# Altium PCB STB_LightBoard.PcbDoc (part 26 of 31)
Units mm, origin at the board's own origin, x right, y up, seen from the top; angles counter-clockwise.
Board outline 348 x 348 mm, 2 copper layers (Top Layer, Bottom Layer), stack 1.672 mm thick; 3807 components, 3391 nets, 11616 pads, 2553 vias.
Unrouted connection lines stored in the file: 68.
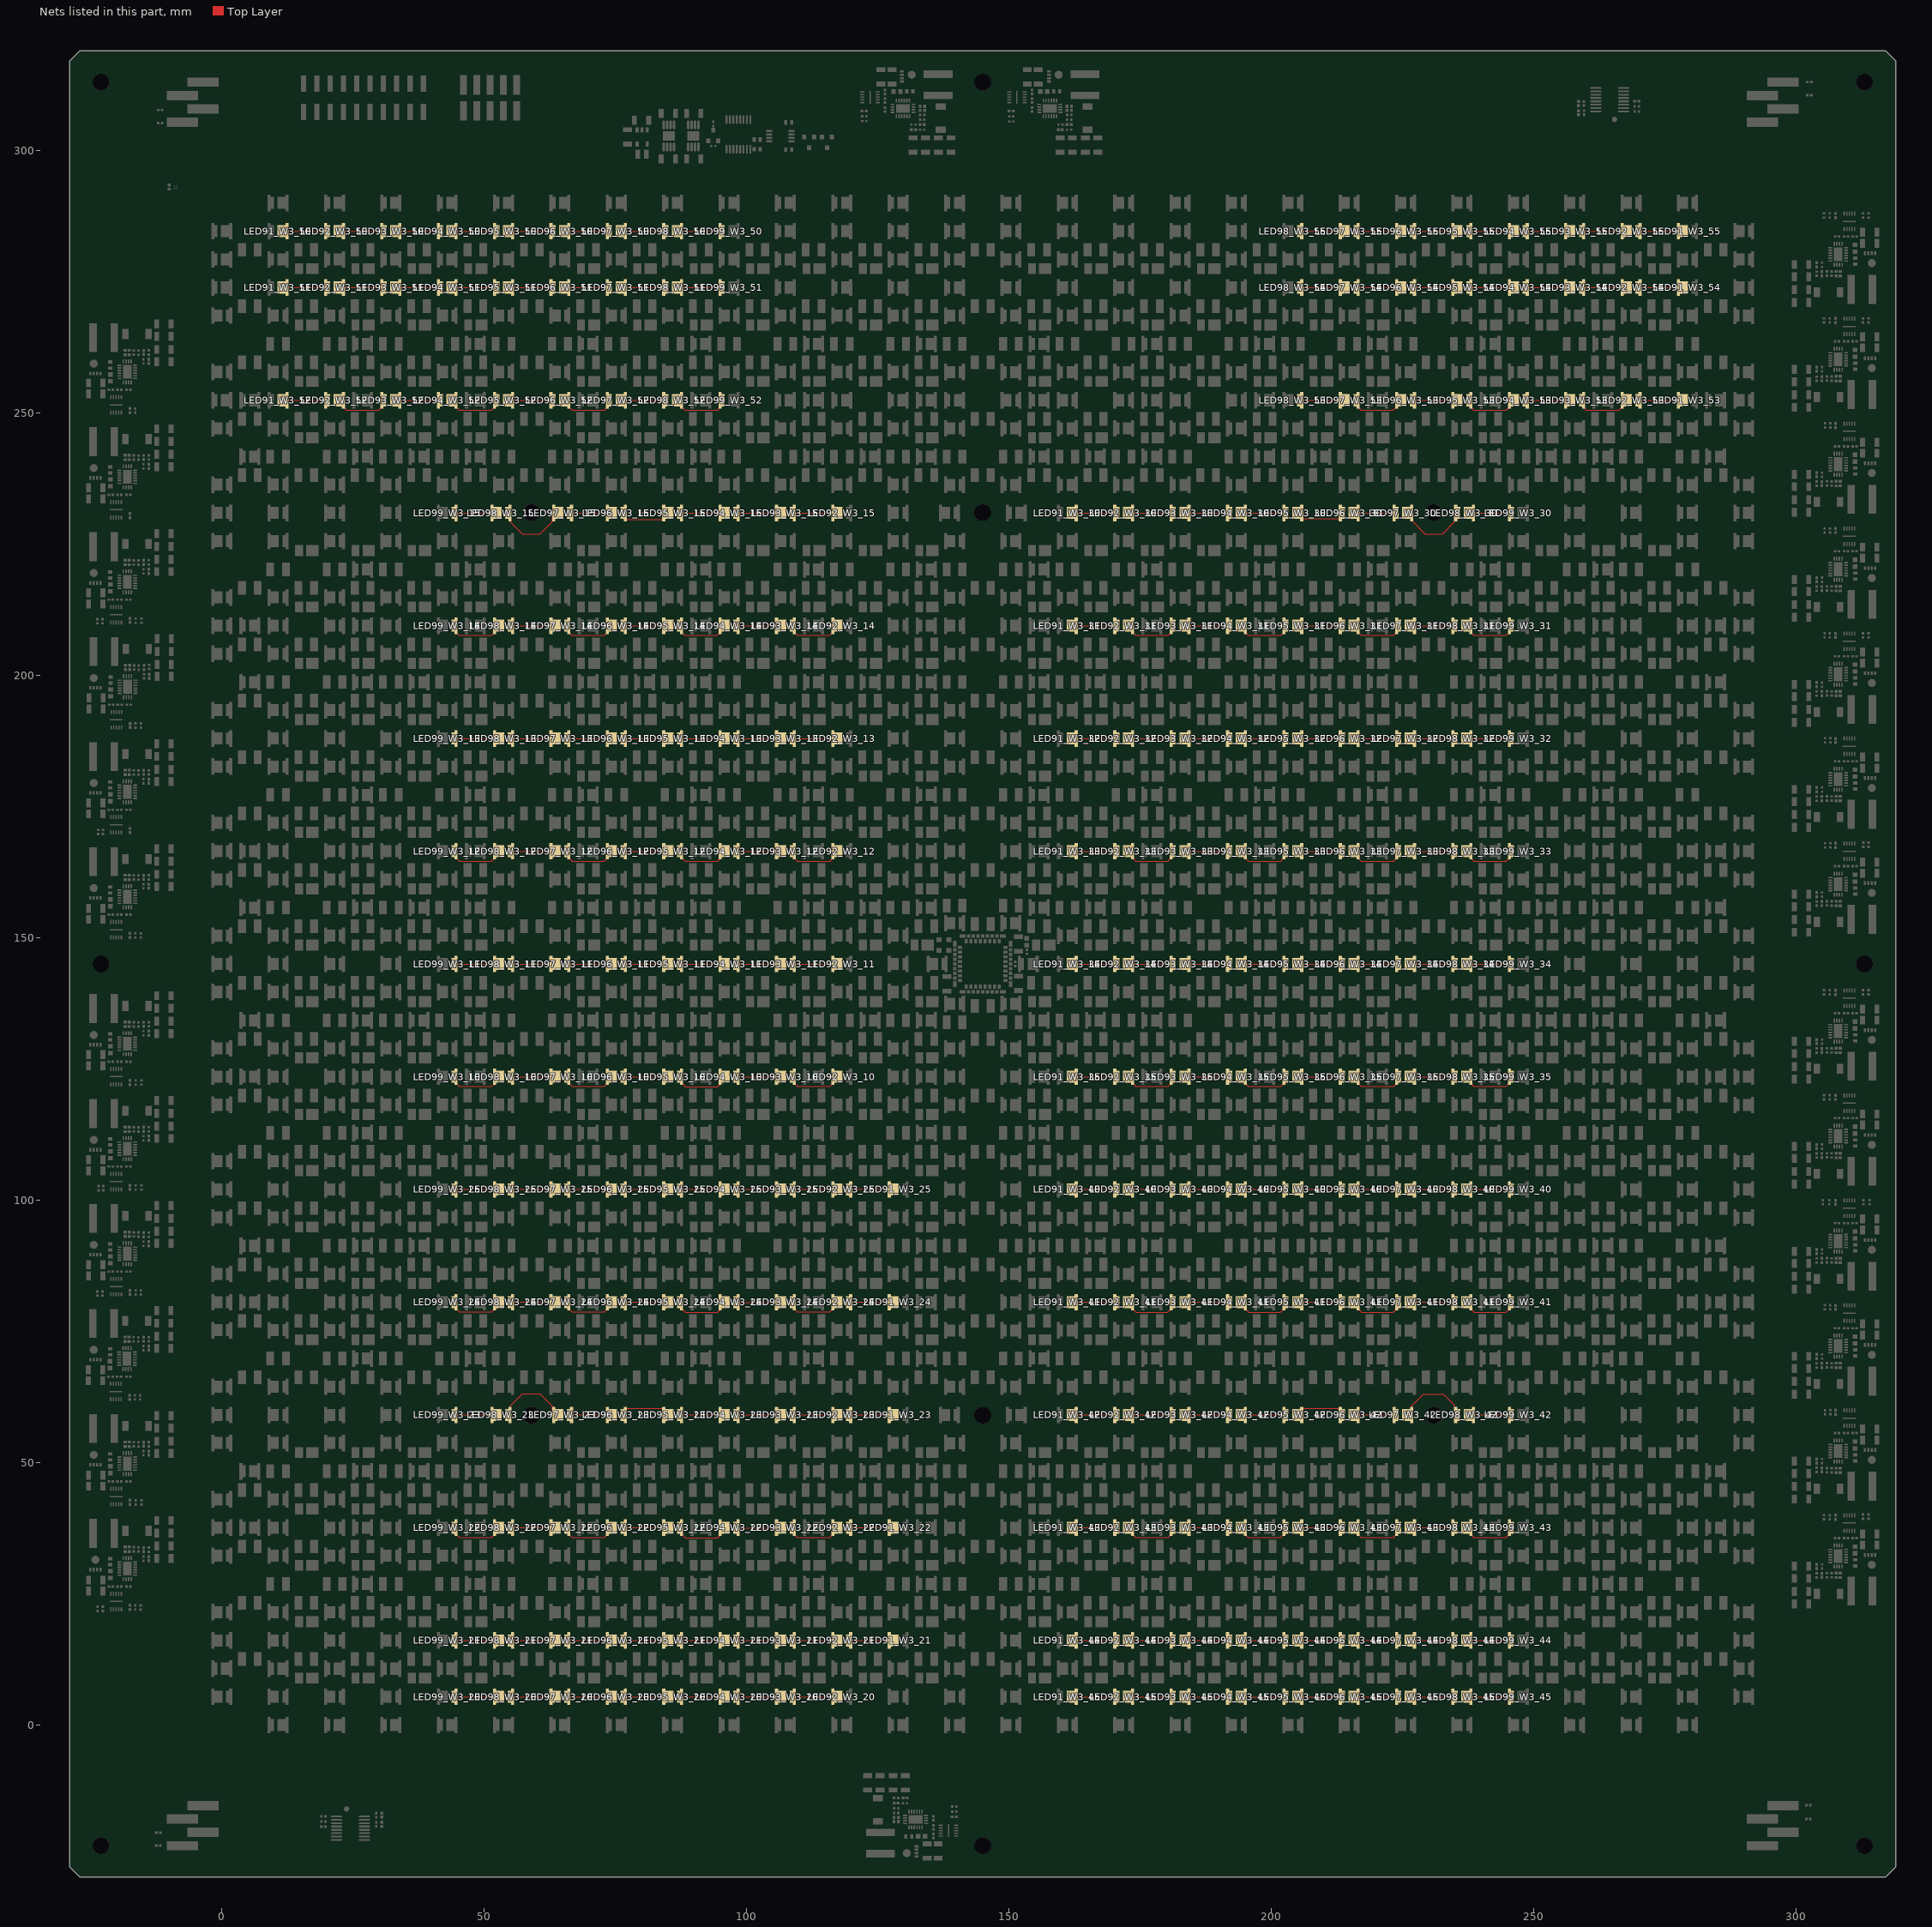
[diagram p26: the nets of this part, all layers, seen from the top]

## Via types
v1: diameter 0.604, hole 0.3, Top Layer to Bottom Layer, tented both sides, 2553 vias

## Nets (pads, with @x,y where several pads share a name; then routed paths per layer and width w, separated by ;. In a path a pad name is that pad's centre, name@x,y a point inside that pad or via, vN(x,y) a via of type N, cw(c..) or ccw(c..) an arc to the next point about the centre after c; other vN are vias at no path point) (continued)
NetLED91_W3_21_1: LED91_W3_21.1 LED92_W3_21.2 | length 9
  Top Layer w0.2: LED92_W3_21.2@119.261,16.11 LED92_W3_21.2@119.851,16.11 LED91_W3_21.1@127.192,16.11 LED91_W3_21.1@128.257,16.11
NetLED91_W3_22_1: LED91_W3_22.1 LED92_W3_22.2 | length 9
  Top Layer w0.2: LED92_W3_22.2@119.261,37.59 LED92_W3_22.2@119.851,37.59 LED91_W3_22.1@127.192,37.59 LED91_W3_22.1@128.257,37.59
NetLED91_W3_23_1: LED91_W3_23.1 LED92_W3_23.2 | length 18
  Top Layer w0.2: LED92_W3_23.2@119.478,59.08 120.068,59.08 127.409,59.08 128.474,59.08 127.192,59.08 LED92_W3_23.2@119.478,59.08
NetLED91_W3_24_1: LED91_W3_24.1 LED92_W3_24.2 | length 9
  Top Layer w0.2: LED92_W3_24.2@119.261,80.55 LED92_W3_24.2@119.851,80.55 LED91_W3_24.1@127.192,80.55 LED91_W3_24.1@128.257,80.55
NetLED91_W3_25_1: LED91_W3_25.1 LED92_W3_25.2 | length 9
  Top Layer w0.2: LED92_W3_25.2@119.261,102.03 LED92_W3_25.2@119.851,102.03 LED91_W3_25.1@127.192,102.03 LED91_W3_25.1@128.257,102.03
NetLED91_W3_30_1: LED91_W3_30.1 LED92_W3_30.2 | length 28.3
  Top Layer w0.2: LED91_W3_30.1@161.3,230.91 162.365,230.91 169.706,230.91 LED92_W3_30.2@170.296,230.91 ; LED92_W3_30.2@170.538,230.9 169.473,230.9 ; LED91_W3_30.1@162.442,230.9 LED91_W3_30.1@163.032,230.9 ; LED91_W3_30.1@162.442,230.9 161.542,230.9 162.132,230.9 169.473,230.9 ; LED91_W3_30.1@162.442,230.9 162.815,230.9 LED91_W3_30.1@163.032,230.9 ; LED91_W3_30.1@163.032,230.9 170.373,230.9 170.156,230.9 169.473,230.9
NetLED91_W3_31_1: LED91_W3_31.1 LED92_W3_31.2 | length 9
  Top Layer w0.2: LED91_W3_31.1@161.75,209.43 LED91_W3_31.1@162.815,209.43 LED92_W3_31.2@170.156,209.43 LED92_W3_31.2@170.746,209.43
NetLED91_W3_32_1: LED91_W3_32.1 LED92_W3_32.2 | length 9
  Top Layer w0.2: LED91_W3_32.1@161.75,187.95 LED91_W3_32.1@162.815,187.95 LED92_W3_32.2@170.156,187.95 LED92_W3_32.2@170.746,187.95
NetLED91_W3_33_1: LED91_W3_33.1 LED92_W3_33.2 | length 8.2
  Top Layer w0.2: LED91_W3_33.1@162.225,166.47 LED91_W3_33.1@162.815,166.47 LED92_W3_33.2@170.156,166.47 LED92_W3_33.2@170.4,166.47
NetLED91_W3_34_1: LED91_W3_34.1 LED92_W3_34.2 | length 9
  Top Layer w0.2: LED91_W3_34.1@161.915,144.99 162.505,144.99 169.846,144.99 LED92_W3_34.2@170.911,144.99
NetLED91_W3_35_1: LED91_W3_35.1 LED92_W3_35.2 | length 7.9
  Top Layer w0.2: LED91_W3_35.1@162.225,123.51 LED91_W3_35.1@162.815,123.51 LED92_W3_35.2@170.156,123.51
NetLED91_W3_40_1: LED91_W3_40.1 LED92_W3_40.2 | length 9
  Top Layer w0.2: LED91_W3_40.1@161.115,102.03 161.705,102.03 169.046,102.03 LED92_W3_40.2@170.111,102.03
NetLED91_W3_41_1: LED91_W3_41.1 LED92_W3_41.2 | length 8.4
  Top Layer w0.2: LED91_W3_41.1@161.75,80.55 LED91_W3_41.1@162.815,80.55 LED92_W3_41.2@170.156,80.55
NetLED91_W3_42_1: LED91_W3_42.1 LED92_W3_42.2 | length 18
  Top Layer w0.2: LED91_W3_42.1@161.533,59.08 162.598,59.08 169.939,59.08 170.529,59.08 162.815,59.08 LED91_W3_42.1@161.533,59.08
NetLED91_W3_43_1: LED91_W3_43.1 LED92_W3_43.2 | length 9
  Top Layer w0.2: LED91_W3_43.1@161.75,37.59 LED91_W3_43.1@162.815,37.59 LED92_W3_43.2@170.156,37.59 LED92_W3_43.2@170.746,37.59
NetLED91_W3_44_1: LED91_W3_44.1 LED92_W3_44.2 | length 18.5
  Top Layer w0.2: LED91_W3_44.1@162.815,16.11 LED91_W3_44.1@161.75,16.11 ; LED92_W3_44.2@170.156,16.11 LED91_W3_44.1@161.75,16.11 ; LED92_W3_44.2@170.746,16.11 LED91_W3_44.1@161.75,16.11
NetLED91_W3_45_1: LED91_W3_45.1 LED92_W3_45.2 | length 18.5
  Top Layer w0.2: LED91_W3_45.1@162.815,5.37 LED91_W3_45.1@161.75,5.37 ; LED92_W3_45.2@170.156,5.37 LED91_W3_45.1@161.75,5.37 ; LED92_W3_45.2@170.746,5.37 LED91_W3_45.1@161.75,5.37
NetLED91_W3_50_1: LED91_W3_50.1 LED92_W3_50.2 | length 26.4
  Top Layer w0.2: LED91_W3_50.1@11.376,284.61 LED91_W3_50.1@12.441,284.61 LED92_W3_50.2@19.782,284.61 LED92_W3_50.2@20.372,284.61 ; LED91_W3_50.1@11.618,284.6 12.441,284.6 19.782,284.6 20.614,284.6 19.549,284.6 LED91_W3_50.1@12.208,284.6
NetLED91_W3_51_1: LED91_W3_51.1 LED92_W3_51.2 | length 35.4
  Top Layer w0.2: 19.082,273.9 11.741,273.9 10.676,273.9 12.441,273.9 LED92_W3_51.2@19.672,273.9 ; LED91_W3_51.1@10.918,273.89 11.508,273.89 18.849,273.89 19.914,273.89 11.376,273.89 LED91_W3_51.1@10.918,273.89
NetLED91_W3_52_1: LED91_W3_52.1 LED92_W3_52.2 | length 9
  Top Layer w0.2: LED91_W3_52.1@11.376,252.39 LED91_W3_52.1@12.441,252.39 LED92_W3_52.2@19.782,252.39 LED92_W3_52.2@20.372,252.39
NetLED91_W3_53_1: LED91_W3_53.1 LED92_W3_53.2 | length 9
  Top Layer w0.2: LED92_W3_53.2@269.635,252.39 LED92_W3_53.2@270.225,252.39 LED91_W3_53.1@277.566,252.39 LED91_W3_53.1@278.631,252.39
NetLED91_W3_54_1: LED91_W3_54.1 LED92_W3_54.2 | length 18
  Top Layer w0.2: LED92_W3_54.2@269.852,273.86 270.442,273.86 277.783,273.86 278.848,273.86 277.566,273.86 LED92_W3_54.2@269.852,273.86
NetLED91_W3_55_1: LED91_W3_55.1 LED92_W3_55.2 | length 9
  Top Layer w0.2: LED92_W3_55.2@269.61,284.61 270.675,284.61 278.016,284.61 LED91_W3_55.1@278.606,284.61
NetLED92_W3_10_1: LED92_W3_10.1 LED93_W3_10.2 | length 9.1
  Top Layer w0.2: LED93_W3_10.2@109.11,122.235 109.705,121.64 115.856,121.64 116.251,122.035 116.451,122.235 LED92_W3_10.1@116.451,123.51
NetLED92_W3_11_1: LED92_W3_11.1 LED93_W3_11.2 | length 9
  Top Layer w0.2: LED93_W3_11.2@108.52,144.99 LED93_W3_11.2@109.11,144.99 LED92_W3_11.1@116.451,144.99 LED92_W3_11.1@117.516,144.99
NetLED92_W3_12_1: LED92_W3_12.1 LED93_W3_12.2 | length 9.1
  Top Layer w0.2: LED93_W3_12.2@109.11,165.195 109.705,164.6 115.856,164.6 116.251,164.995 116.451,165.195 LED92_W3_12.1@116.451,166.47
NetLED92_W3_13_1: LED92_W3_13.1 LED93_W3_13.2 | length 9
  Top Layer w0.2: LED93_W3_13.2@108.52,187.95 LED93_W3_13.2@109.11,187.95 LED92_W3_13.1@116.451,187.95 LED92_W3_13.1@117.516,187.95
NetLED92_W3_14_1: LED92_W3_14.1 LED93_W3_14.2 | length 12
  Top Layer w0.2: LED93_W3_14.2@108.52,209.43 LED93_W3_14.2@109.11,209.43 109.11,208.155 109.665,207.6 115.896,207.6 116.451,208.155 LED92_W3_14.1@116.451,209.43 LED92_W3_14.1@117.516,209.43
NetLED92_W3_15_1: LED92_W3_15.1 LED93_W3_15.2 | length 18
  Top Layer w0.2: LED93_W3_15.2@108.737,230.9 109.327,230.9 116.668,230.9 117.733,230.9 116.451,230.9 LED93_W3_15.2@108.737,230.9
NetLED92_W3_20_1: LED92_W3_20.1 LED93_W3_20.2 | length 9
  Top Layer w0.2: LED93_W3_20.2@108.52,5.37 LED93_W3_20.2@109.11,5.37 LED92_W3_20.1@116.451,5.37 LED92_W3_20.1@117.516,5.37
NetLED92_W3_21_1: LED92_W3_21.1 LED93_W3_21.2 | length 9
  Top Layer w0.2: LED93_W3_21.2@108.52,16.11 LED93_W3_21.2@109.11,16.11 LED92_W3_21.1@116.451,16.11 LED92_W3_21.1@117.516,16.11
NetLED92_W3_22_1: LED92_W3_22.1 LED93_W3_22.2 | length 9.1
  Top Layer w0.2: LED93_W3_22.2@109.11,36.315 109.705,35.72 115.856,35.72 116.251,36.115 116.451,36.315 LED92_W3_22.1@116.451,37.59
NetLED92_W3_23_1: LED92_W3_23.1 LED93_W3_23.2 | length 18
  Top Layer w0.2: LED93_W3_23.2@108.737,59.08 109.327,59.08 116.668,59.08 117.733,59.08 116.451,59.08 LED93_W3_23.2@108.737,59.08
NetLED92_W3_24_1: LED92_W3_24.1 LED93_W3_24.2 | length 9.1
  Top Layer w0.2: LED93_W3_24.2@109.11,79.275 109.705,78.68 115.856,78.68 116.251,79.075 116.451,79.275 LED92_W3_24.1@116.451,80.55
NetLED92_W3_25_1: LED92_W3_25.1 LED93_W3_25.2 | length 9
  Top Layer w0.2: LED93_W3_25.2@108.52,102.03 LED93_W3_25.2@109.11,102.03 LED92_W3_25.1@116.451,102.03 LED92_W3_25.1@117.516,102.03
NetLED92_W3_30_1: LED92_W3_30.1 LED93_W3_30.2 | length 28.3
  Top Layer w0.2: LED92_W3_30.1@172.041,230.91 173.106,230.91 180.447,230.91 LED93_W3_30.2@181.037,230.91 ; LED93_W3_30.2@181.279,230.9 180.214,230.9 ; LED92_W3_30.1@173.183,230.9 LED92_W3_30.1@173.773,230.9 ; LED92_W3_30.1@173.183,230.9 172.283,230.9 172.873,230.9 180.214,230.9 ; LED92_W3_30.1@173.183,230.9 173.556,230.9 LED92_W3_30.1@173.773,230.9 ; LED92_W3_30.1@173.773,230.9 181.114,230.9 180.897,230.9 180.214,230.9
NetLED92_W3_31_1: LED92_W3_31.1 LED93_W3_31.2 | length 7.8
  Top Layer w0.2: LED92_W3_31.1@173.556,208.155 174.111,207.6 180.342,207.6 LED93_W3_31.2@180.897,208.155
NetLED92_W3_32_1: LED92_W3_32.1 LED93_W3_32.2 | length 9
  Top Layer w0.2: LED92_W3_32.1@172.491,187.95 LED92_W3_32.1@173.556,187.95 LED93_W3_32.2@180.897,187.95 LED93_W3_32.2@181.487,187.95
NetLED92_W3_33_1: LED92_W3_33.1 LED93_W3_33.2 | length 9.1
  Top Layer w0.2: LED92_W3_33.1@173.556,165.195 174.151,164.6 180.302,164.6 180.697,164.995 180.897,165.195 LED93_W3_33.2@180.897,166.47
NetLED92_W3_34_1: LED92_W3_34.1 LED93_W3_34.2 | length 9
  Top Layer w0.2: LED92_W3_34.1@172.656,144.99 173.246,144.99 180.587,144.99 LED93_W3_34.2@181.652,144.99
NetLED92_W3_35_1: LED92_W3_35.1 LED93_W3_35.2 | length 7.8
  Top Layer w0.2: LED92_W3_35.1@173.556,122.235 174.151,121.64 180.302,121.64 180.697,122.035 LED93_W3_35.2@180.897,122.235
NetLED92_W3_40_1: LED92_W3_40.1 LED93_W3_40.2 | length 9
  Top Layer w0.2: LED92_W3_40.1@171.856,102.03 172.446,102.03 179.787,102.03 LED93_W3_40.2@180.852,102.03
NetLED92_W3_41_1: LED92_W3_41.1 LED93_W3_41.2 | length 10.5
  Top Layer w0.2: LED92_W3_41.1@173.556,80.55 173.556,79.275 174.231,78.6 180.182,78.6 180.282,78.7 180.322,78.7 180.897,79.275 LED93_W3_41.2@180.897,80.55
NetLED92_W3_42_1: LED92_W3_42.1 LED93_W3_42.2 | length 18
  Top Layer w0.2: LED92_W3_42.1@172.274,59.08 173.339,59.08 180.68,59.08 181.27,59.08 173.556,59.08 LED92_W3_42.1@172.274,59.08
NetLED92_W3_43_1: LED92_W3_43.1 LED93_W3_43.2 | length 9.1
  Top Layer w0.2: LED92_W3_43.1@173.556,36.315 174.151,35.72 180.302,35.72 180.697,36.115 180.897,36.315 LED93_W3_43.2@180.897,37.59
NetLED92_W3_44_1: LED92_W3_44.1 LED93_W3_44.2 | length 18.5
  Top Layer w0.2: LED92_W3_44.1@173.556,16.11 LED92_W3_44.1@172.491,16.11 ; LED93_W3_44.2@180.897,16.11 LED92_W3_44.1@172.491,16.11 ; LED93_W3_44.2@181.487,16.11 LED92_W3_44.1@172.491,16.11
NetLED92_W3_45_1: LED92_W3_45.1 LED93_W3_45.2 | length 18.5
  Top Layer w0.2: LED92_W3_45.1@173.556,5.37 LED92_W3_45.1@172.491,5.37 ; LED93_W3_45.2@180.897,5.37 LED92_W3_45.1@172.491,5.37 ; LED93_W3_45.2@181.487,5.37 LED92_W3_45.1@172.491,5.37
NetLED92_W3_50_1: LED92_W3_50.1 LED93_W3_50.2 | length 26.4
  Top Layer w0.2: LED92_W3_50.1@22.117,284.61 LED92_W3_50.1@23.182,284.61 LED93_W3_50.2@30.523,284.61 LED93_W3_50.2@31.113,284.61 ; LED92_W3_50.1@22.359,284.6 23.182,284.6 30.523,284.6 31.355,284.6 30.29,284.6 LED92_W3_50.1@22.949,284.6
NetLED92_W3_51_1: LED92_W3_51.1 LED93_W3_51.2 | length 35.4
  Top Layer w0.2: 29.823,273.9 22.482,273.9 21.417,273.9 23.182,273.9 LED93_W3_51.2@30.413,273.9 ; LED92_W3_51.1@21.659,273.89 22.249,273.89 29.59,273.89 30.655,273.89 22.117,273.89 LED92_W3_51.1@21.659,273.89
NetLED92_W3_52_1: LED92_W3_52.1 LED93_W3_52.2 | length 11.4
  Top Layer w0.2: LED92_W3_52.1@22.117,252.39 23.106,252.39 LED92_W3_52.1@23.129,252.368 ; LED92_W3_52.1@23.182,252.39 23.182,251.115 23.797,250.5 29.908,250.5 30.523,251.115 LED93_W3_52.2@30.523,252.39
NetLED92_W3_53_1: LED92_W3_53.1 LED93_W3_53.2 | length 14
  Top Layer w0.2: LED92_W3_53.1@266.877,252.368 266.9,252.39 LED92_W3_53.1@267.889,252.39 ; LED93_W3_53.2@259.483,251.115 LED93_W3_53.2@259.484,252.39 LED93_W3_53.2@259.483,251.115 ; LED93_W3_53.2@259.483,251.115 260.098,250.5 266.209,250.5 LED92_W3_53.1@266.824,251.115 ; LED92_W3_53.1@266.824,251.115 266.824,252.39 LED92_W3_53.1@266.824,251.115
NetLED92_W3_54_1: LED92_W3_54.1 LED93_W3_54.2 | length 18
  Top Layer w0.2: LED93_W3_54.2@259.111,273.86 259.701,273.86 267.042,273.86 268.107,273.86 266.825,273.86 LED93_W3_54.2@259.111,273.86
NetLED92_W3_55_1: LED92_W3_55.1 LED93_W3_55.2 | length 9
  Top Layer w0.2: LED93_W3_55.2@258.869,284.61 259.934,284.61 267.275,284.61 LED92_W3_55.1@267.865,284.61
NetLED93_W3_10_1: LED93_W3_10.1 LED94_W3_10.2 | length 18
  Top Layer w0.2: LED94_W3_10.2@97.881,123.482 98.471,123.482 105.812,123.482 106.877,123.482 105.71,123.482 LED94_W3_10.2@97.881,123.482
NetLED93_W3_11_1: LED93_W3_11.1 LED94_W3_11.2 | length 9
  Top Layer w0.2: LED94_W3_11.2@97.779,144.99 LED94_W3_11.2@98.369,144.99 LED93_W3_11.1@105.71,144.99 LED93_W3_11.1@106.775,144.99
NetLED93_W3_12_1: LED93_W3_12.1 LED94_W3_12.2 | length 18
  Top Layer w0.2: LED94_W3_12.2@97.881,166.442 98.471,166.442 105.812,166.442 106.877,166.442 105.71,166.442 LED94_W3_12.2@97.881,166.442
NetLED93_W3_13_1: LED93_W3_13.1 LED94_W3_13.2 | length 9
  Top Layer w0.2: LED94_W3_13.2@97.779,187.95 LED94_W3_13.2@98.369,187.95 LED93_W3_13.1@105.71,187.95 LED93_W3_13.1@106.775,187.95
NetLED93_W3_14_1: LED93_W3_14.1 LED94_W3_14.2 | length 9
  Top Layer w0.2: LED94_W3_14.2@97.779,209.43 LED94_W3_14.2@98.369,209.43 LED93_W3_14.1@105.71,209.43 LED93_W3_14.1@106.775,209.43
NetLED93_W3_15_1: LED93_W3_15.1 LED94_W3_15.2 | length 18
  Top Layer w0.2: LED94_W3_15.2@97.996,230.9 98.586,230.9 105.927,230.9 106.992,230.9 105.71,230.9 LED94_W3_15.2@97.996,230.9
NetLED93_W3_20_1: LED93_W3_20.1 LED94_W3_20.2 | length 9
  Top Layer w0.2: LED94_W3_20.2@97.779,5.37 LED94_W3_20.2@98.369,5.37 LED93_W3_20.1@105.71,5.37 LED93_W3_20.1@106.775,5.37
NetLED93_W3_21_1: LED93_W3_21.1 LED94_W3_21.2 | length 9
  Top Layer w0.2: LED94_W3_21.2@97.779,16.11 LED94_W3_21.2@98.369,16.11 LED93_W3_21.1@105.71,16.11 LED93_W3_21.1@106.775,16.11
NetLED93_W3_22_1: LED93_W3_22.1 LED94_W3_22.2 | length 18
  Top Layer w0.2: LED94_W3_22.2@97.881,37.562 98.471,37.562 105.812,37.562 106.877,37.562 105.71,37.562 LED94_W3_22.2@97.881,37.562
NetLED93_W3_23_1: LED93_W3_23.1 LED94_W3_23.2 | length 18
  Top Layer w0.2: LED94_W3_23.2@97.996,59.08 98.586,59.08 105.927,59.08 106.992,59.08 105.71,59.08 LED94_W3_23.2@97.996,59.08
NetLED93_W3_24_1: LED93_W3_24.1 LED94_W3_24.2 | length 18
  Top Layer w0.2: LED94_W3_24.2@97.881,80.522 98.471,80.522 105.812,80.522 106.877,80.522 105.71,80.522 LED94_W3_24.2@97.881,80.522
NetLED93_W3_25_1: LED93_W3_25.1 LED94_W3_25.2 | length 9
  Top Layer w0.2: LED94_W3_25.2@97.779,102.03 LED94_W3_25.2@98.369,102.03 LED93_W3_25.1@105.71,102.03 LED93_W3_25.1@106.775,102.03
NetLED93_W3_30_1: LED93_W3_30.1 LED94_W3_30.2 | length 19
  Top Layer w0.2: LED94_W3_30.2@192.02,230.9 190.955,230.9 ; LED93_W3_30.1@183.614,230.9 183.024,230.9 LED93_W3_30.1@183.614,230.9 ; LED93_W3_30.1@183.614,230.9 190.955,230.9 ; LED93_W3_30.1@184.514,230.9 183.924,230.9 184.297,230.9 LED93_W3_30.1@184.514,230.9 ; LED93_W3_30.1@184.514,230.9 191.855,230.9 191.638,230.9 190.955,230.9
NetLED93_W3_31_1: LED93_W3_31.1 LED94_W3_31.2 | length 9
  Top Layer w0.2: LED93_W3_31.1@183.232,209.43 LED93_W3_31.1@184.297,209.43 LED94_W3_31.2@191.638,209.43 LED94_W3_31.2@192.228,209.43
NetLED93_W3_32_1: LED93_W3_32.1 LED94_W3_32.2 | length 9
  Top Layer w0.2: LED93_W3_32.1@183.232,187.95 LED93_W3_32.1@184.297,187.95 LED94_W3_32.2@191.638,187.95 LED94_W3_32.2@192.228,187.95
NetLED93_W3_33_1: LED93_W3_33.1 LED94_W3_33.2 | length 8.2
  Top Layer w0.2: LED93_W3_33.1@183.707,166.47 LED93_W3_33.1@184.297,166.47 LED94_W3_33.2@191.638,166.47 LED94_W3_33.2@191.882,166.47
NetLED93_W3_34_1: LED93_W3_34.1 LED94_W3_34.2 | length 9
  Top Layer w0.2: LED93_W3_34.1@183.397,144.99 183.987,144.99 191.328,144.99 LED94_W3_34.2@192.393,144.99
NetLED93_W3_35_1: LED93_W3_35.1 LED94_W3_35.2 | length 8.5
  Top Layer w0.2: LED93_W3_35.1@183.707,123.51 LED93_W3_35.1@184.297,123.51 LED94_W3_35.2@191.638,123.51 LED94_W3_35.2@192.228,123.51
NetLED93_W3_40_1: LED93_W3_40.1 LED94_W3_40.2 | length 9
  Top Layer w0.2: LED93_W3_40.1@182.597,102.03 183.187,102.03 190.528,102.03 LED94_W3_40.2@191.593,102.03
NetLED93_W3_41_1: LED93_W3_41.1 LED94_W3_41.2 | length 8.4
  Top Layer w0.2: LED93_W3_41.1@183.232,80.55 LED93_W3_41.1@184.297,80.55 LED94_W3_41.2@191.638,80.55
NetLED93_W3_42_1: LED93_W3_42.1 LED94_W3_42.2 | length 18
  Top Layer w0.2: LED93_W3_42.1@183.015,59.08 184.08,59.08 191.421,59.08 192.011,59.08 184.297,59.08 LED93_W3_42.1@183.015,59.08
NetLED93_W3_43_1: LED93_W3_43.1 LED94_W3_43.2 | length 9
  Top Layer w0.2: LED93_W3_43.1@183.232,37.59 LED93_W3_43.1@184.297,37.59 LED94_W3_43.2@191.638,37.59 LED94_W3_43.2@192.228,37.59
NetLED93_W3_44_1: LED93_W3_44.1 LED94_W3_44.2 | length 18
  Top Layer w0.2: LED93_W3_44.1@184.297,16.11 LED94_W3_44.2@191.638,16.11 ; LED93_W3_44.1@184.297,16.11 LED93_W3_44.1@183.232,16.11 LED93_W3_44.1@184.297,16.11 ; LED93_W3_44.1@184.297,16.11 LED94_W3_44.2@191.638,16.11 ; LED94_W3_44.2@191.638,16.11 LED94_W3_44.2@192.228,16.11 LED94_W3_44.2@191.638,16.11
NetLED93_W3_45_1: LED93_W3_45.1 LED94_W3_45.2 | length 18.5
  Top Layer w0.2: LED93_W3_45.1@184.297,5.37 LED93_W3_45.1@183.232,5.37 ; LED94_W3_45.2@191.638,5.37 LED93_W3_45.1@183.232,5.37 ; LED94_W3_45.2@192.228,5.37 LED93_W3_45.1@183.232,5.37
NetLED93_W3_50_1: LED93_W3_50.1 LED94_W3_50.2 | length 18
  Top Layer w0.2: LED94_W3_50.2@41.031,284.6 33.69,284.6 33.1,284.6 LED94_W3_50.2@41.031,284.6 ; LED94_W3_50.2@41.031,284.6 42.096,284.6 LED94_W3_50.2@41.031,284.6
NetLED93_W3_51_1: LED93_W3_51.1 LED94_W3_51.2 | length 18
  Top Layer w0.2: LED93_W3_51.1@32.4,273.89 32.99,273.89 40.331,273.89 41.396,273.89 33.923,273.89 LED93_W3_51.1@32.4,273.89
NetLED93_W3_52_1: LED93_W3_52.1 LED94_W3_52.2 | length 9
  Top Layer w0.2: LED93_W3_52.1@32.858,252.39 LED93_W3_52.1@33.923,252.39 LED94_W3_52.2@41.264,252.39 LED94_W3_52.2@41.854,252.39
NetLED93_W3_53_1: LED93_W3_53.1 LED94_W3_53.2 | length 7.9
  Top Layer w0.2: LED94_W3_53.2@248.153,252.39 LED94_W3_53.2@248.743,252.39 LED93_W3_53.1@256.084,252.39
NetLED93_W3_54_1: LED93_W3_54.1 LED94_W3_54.2 | length 18
  Top Layer w0.2: LED94_W3_54.2@248.37,273.86 248.96,273.86 256.301,273.86 257.366,273.86 256.084,273.86 LED94_W3_54.2@248.37,273.86
NetLED93_W3_55_1: LED93_W3_55.1 LED94_W3_55.2 | length 9
  Top Layer w0.2: LED94_W3_55.2@248.128,284.61 249.193,284.61 256.534,284.61 LED93_W3_55.1@257.124,284.61
NetLED94_W3_10_1: LED94_W3_10.1 LED95_W3_10.2 | length 9.1
  Top Layer w0.2: LED95_W3_10.2@87.73,122.207 88.325,121.612 94.476,121.612 94.871,122.007 95.071,122.207 LED94_W3_10.1@95.071,123.482
NetLED94_W3_11_1: LED94_W3_11.1 LED95_W3_11.2 | length 9
  Top Layer w0.2: LED95_W3_11.2@87.038,144.99 LED95_W3_11.2@87.628,144.99 LED94_W3_11.1@94.969,144.99 LED94_W3_11.1@96.034,144.99
NetLED94_W3_12_1: LED94_W3_12.1 LED95_W3_12.2 | length 9.1
  Top Layer w0.2: LED95_W3_12.2@87.73,165.167 88.325,164.572 94.476,164.572 94.871,164.967 95.071,165.167 LED94_W3_12.1@95.071,166.442
NetLED94_W3_13_1: LED94_W3_13.1 LED95_W3_13.2 | length 8.4
  Top Layer w0.2: LED95_W3_13.2@87.628,187.95 LED94_W3_13.1@94.969,187.95 LED94_W3_13.1@96.034,187.95
NetLED94_W3_14_1: LED94_W3_14.1 LED95_W3_14.2 | length 12
  Top Layer w0.2: LED95_W3_14.2@87.038,209.43 LED95_W3_14.2@87.628,209.43 87.628,208.155 88.183,207.6 94.414,207.6 94.969,208.155 LED94_W3_14.1@94.969,209.43 LED94_W3_14.1@96.034,209.43
NetLED94_W3_15_1: LED94_W3_15.1 LED95_W3_15.2 | length 27
  Top Layer w0.2: LED95_W3_15.2@87.013,230.91 88.078,230.91 95.419,230.91 LED94_W3_15.1@96.009,230.91 ; LED94_W3_15.1@95.186,230.9 87.845,230.9 87.255,230.9 87.628,230.9 LED94_W3_15.1@95.186,230.9 ; LED94_W3_15.1@95.186,230.9 96.251,230.9 LED94_W3_15.1@95.186,230.9
NetLED94_W3_20_1: LED94_W3_20.1 LED95_W3_20.2 | length 9
  Top Layer w0.2: LED95_W3_20.2@87.038,5.37 LED95_W3_20.2@87.628,5.37 LED94_W3_20.1@94.969,5.37 LED94_W3_20.1@96.034,5.37
NetLED94_W3_21_1: LED94_W3_21.1 LED95_W3_21.2 | length 9
  Top Layer w0.2: LED95_W3_21.2@87.038,16.11 LED95_W3_21.2@87.628,16.11 LED94_W3_21.1@94.969,16.11 LED94_W3_21.1@96.034,16.11
NetLED94_W3_22_1: LED94_W3_22.1 LED95_W3_22.2 | length 9.1
  Top Layer w0.2: LED95_W3_22.2@87.73,36.287 88.325,35.692 94.476,35.692 94.871,36.087 95.071,36.287 LED94_W3_22.1@95.071,37.562
NetLED94_W3_23_1: LED94_W3_23.1 LED95_W3_23.2 | length 27
  Top Layer w0.2: LED95_W3_23.2@87.013,59.07 88.078,59.07 95.419,59.07 LED94_W3_23.1@96.009,59.07 ; LED95_W3_23.2@87.255,59.08 87.845,59.08 95.186,59.08 96.251,59.08 94.969,59.08 LED95_W3_23.2@87.255,59.08
NetLED94_W3_24_1: LED94_W3_24.1 LED95_W3_24.2 | length 9.1
  Top Layer w0.2: LED95_W3_24.2@87.73,79.247 88.325,78.652 94.476,78.652 94.871,79.047 95.071,79.247 LED94_W3_24.1@95.071,80.522
NetLED94_W3_25_1: LED94_W3_25.1 LED95_W3_25.2 | length 9
  Top Layer w0.2: LED95_W3_25.2@87.038,102.03 LED95_W3_25.2@87.628,102.03 LED94_W3_25.1@94.969,102.03 LED94_W3_25.1@96.034,102.03
NetLED94_W3_30_1: LED94_W3_30.1 LED95_W3_30.2 | length 19
  Top Layer w0.2: LED95_W3_30.2@202.761,230.9 201.696,230.9 ; LED94_W3_30.1@194.355,230.9 193.765,230.9 LED94_W3_30.1@194.355,230.9 ; LED94_W3_30.1@194.355,230.9 201.696,230.9 ; LED94_W3_30.1@195.255,230.9 194.665,230.9 195.038,230.9 LED94_W3_30.1@195.255,230.9 ; LED94_W3_30.1@195.255,230.9 202.596,230.9 202.379,230.9 201.696,230.9